# Altium PCB WX0.009.154PCB-4.2.PcbDoc (part 2 of 2) (continued)
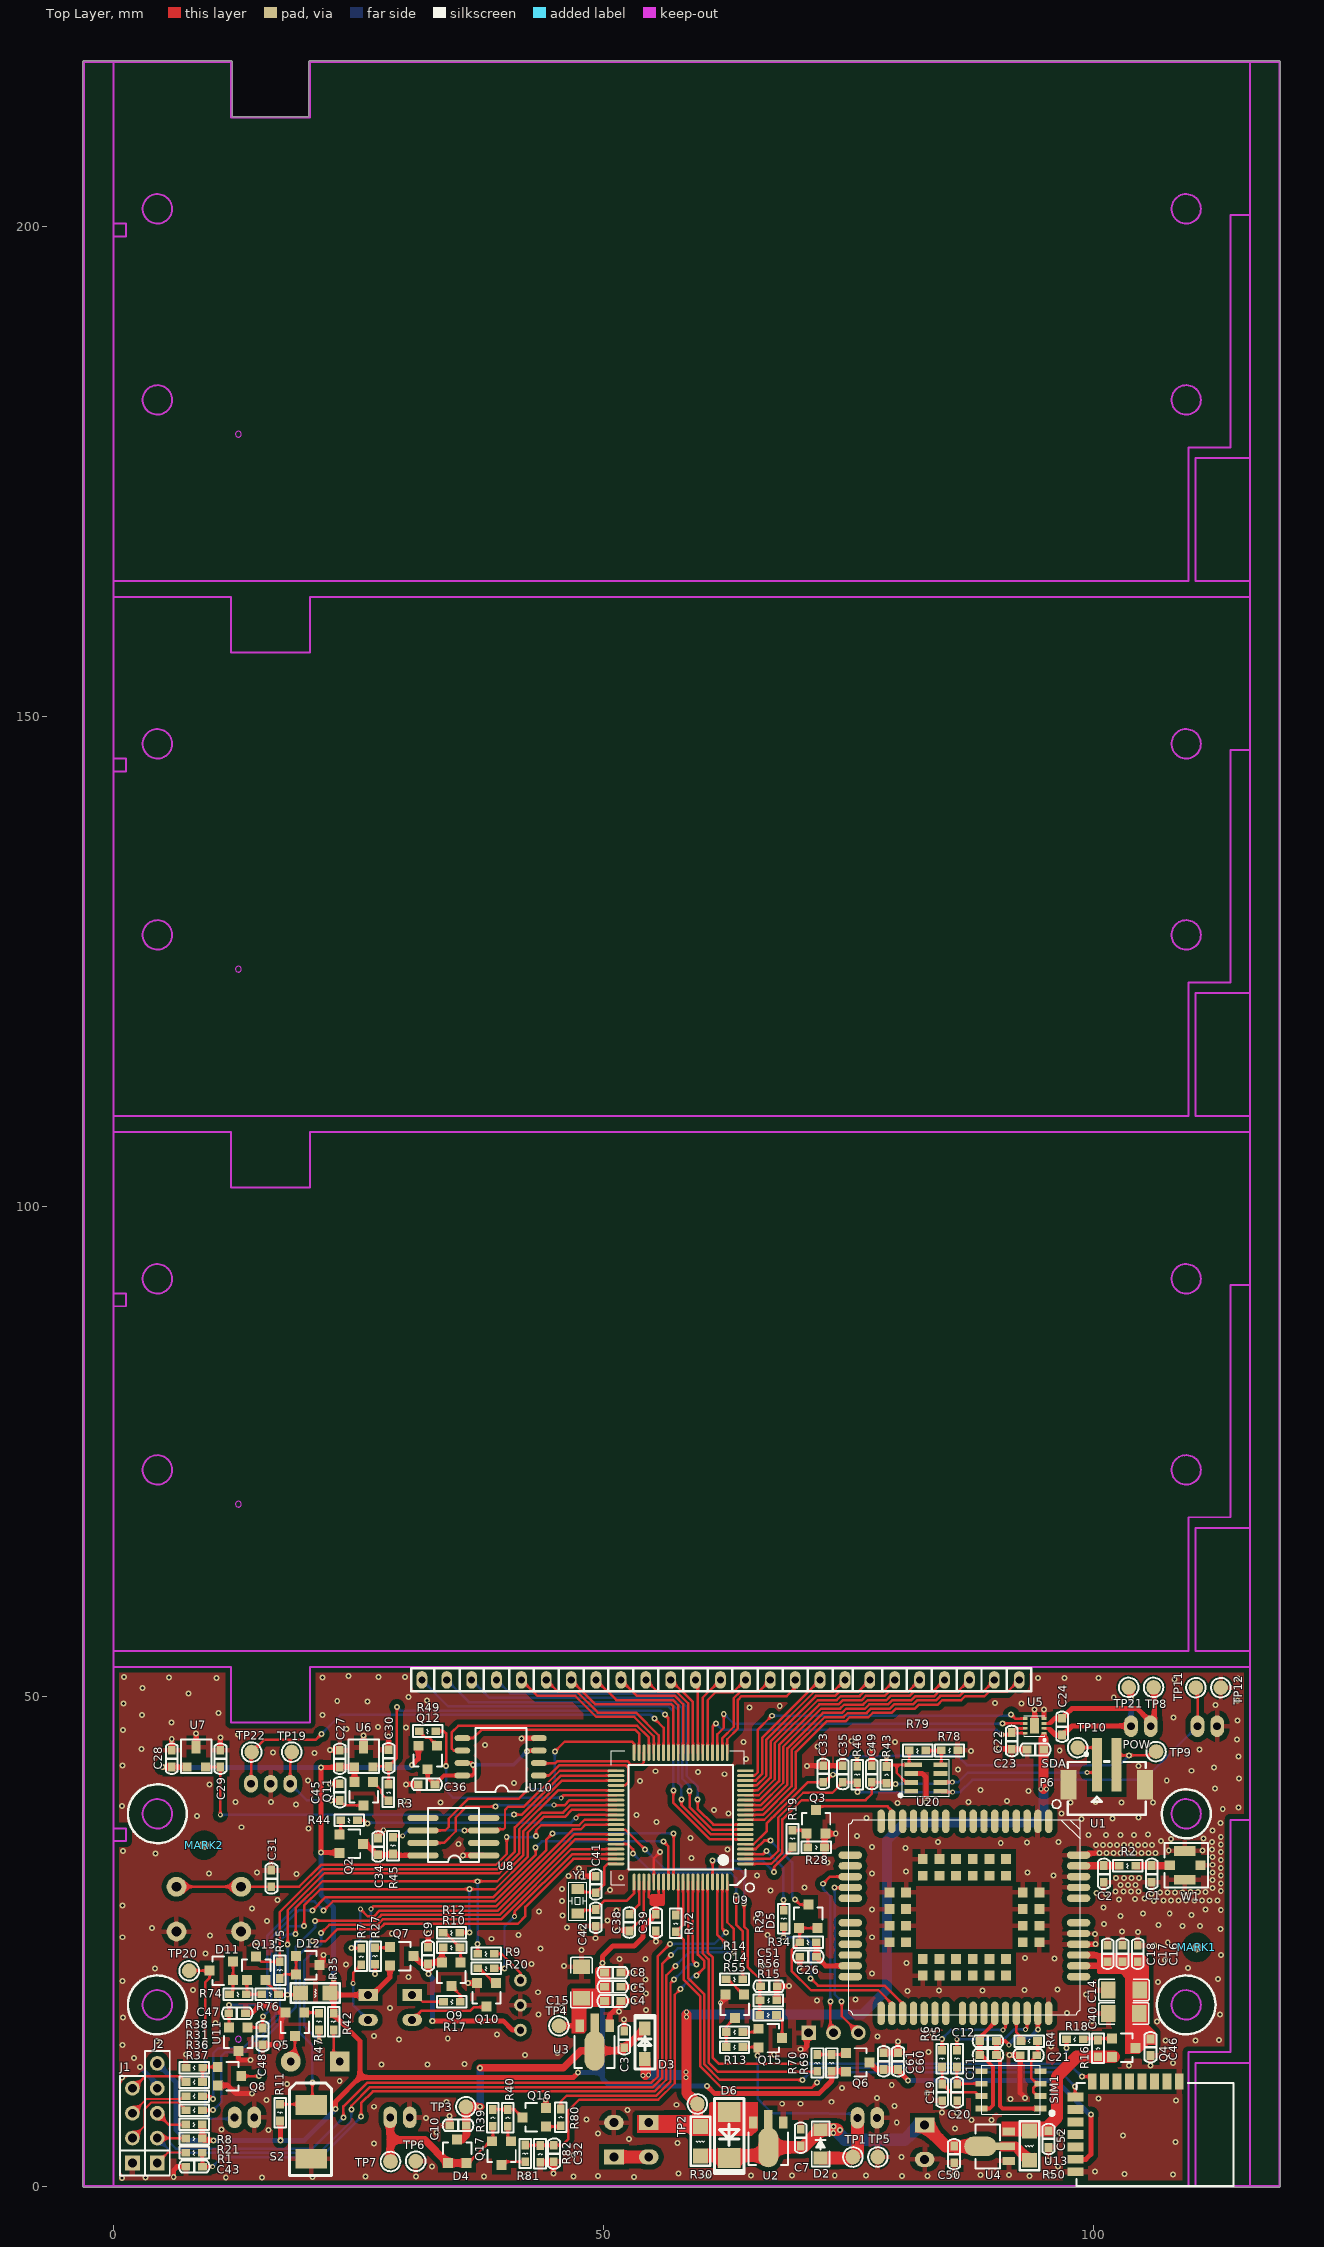
[diagram p0: Top Layer view]
## Nets (pads, with @x,y where several pads share a name; then routed paths per layer and width w, separated by ;. In a path a pad name is that pad's centre, name@x,y a point inside that pad or via, vN(x,y) a via of type N, cw(c..) or ccw(c..) an arc to the next point about the centre after c; other vN are vias at no path point) (continued)
NetQ17_3: Q17.3 R81.1 | length 2.5
  Top Layer w0.254: Q17.3@39.626,2.178 39.937,2.489 R81.1@42.039,2.489
NetR9_1: R9.1 U12.1 | length 4.2
  Top Layer w0.254: R9.1@38.887,23.724 39.598,23.724 41.554,21.767 U12.1@41.554,21.006
NetR29_1: R29.1 U1.30 | length 19.1
  Top Layer w0.254: v1(68.428,25.4) R29.1@68.428,26.391 ; v1(71.171,21.209) 71.907,20.472 78.715,20.472 80.568,18.619 U1.30@80.568,17.632
  Bottom Layer w0.254: v1(68.428,25.4) 70.688,25.4 71.171,24.917 v1(71.171,21.209)
NetR78_1: R78.1 R79.1 U20.8 | length 3.1
  Top Layer w0.254: R79.1@82.931,44.45 84.48,44.45 R78.1@84.506,44.475 84.506,43.081 U20.8@84.431,43.006
OPEN: U5.6 U9.23 | length 35.4
  Top Layer w0.254: U9.23@61.662,44.243 61.662,46.117 62.306,46.761 v1(62.306,48.209) ; v1@90.784,47.223 U5.6@93.081,47.223
  Bottom Layer w0.254: v1(62.306,48.209) 63.322,47.193 v1(90.754,47.193)
R: C24.1 P3.1 TP21.1 U5.2 | length 13.6
  Top Layer w0.305: U5.2@94.981,46.723 95.482,46.723 95.596,46.609
  Top Layer w0.508: 95.596,46.609 96.167,46.038 C24.1@96.825,46.038 96.914,46.038 97.841,46.965 103.851,46.965 P3.1@103.877,46.939 ; TP21.1@103.632,50.902 103.861,50.673 v1(103.861,49.759)
  Bottom Layer w0.508: v1(103.861,49.759) 103.877,49.743 P3.1@103.877,46.939
RESET: Q3.3 U1.15 | length 9.2
  Top Layer w0.254: Q3.3@71.724,38.386 72.098,38.76 79.019,38.76 79.468,38.312 U1.15@79.468,37.232
RST: C43.1 R1.1 U9.80 | length 79.3
  Top Layer w0.254: C43.1@9.09,1.997 R1.1@9.09,3.421 ; C43.1@9.106,1.981 v3(10.135,1.981) ; v1(25.298,7.112) 25.298,8.484 26.492,9.677 55.258,9.677 56.439,10.858 56.439,21.514 v1(57.404,22.479) ; U9.80@62.662,31.043 62.662,26.93 63.348,26.245 v1(63.348,23.851)
  Bottom Layer w0.254: v3(10.135,1.981) 11.125,2.972 21.217,2.972 25.298,7.054 v1(25.298,7.112) ; v1(57.404,22.479) 57.404,22.504 58.75,23.851 v1(63.348,23.851)
RXD1: P9.1 TP22.1 U9.34 | length 50.1
  Top Layer w0.254: P9.1@14.059,41.072 TP22.1@14.059,44.438 ; TP22.1@14.122,44.298 15.367,45.542 20.65,45.542 v1(21.234,46.126) ; v1(55.22,47.727) 56.162,46.784 U9.34@56.162,44.243
  Bottom Layer w0.254: v1(21.234,46.126) 23.216,48.108 54.839,48.108 v1(55.22,47.727)
RXD5: R72.2 U9.71 U13.9 | length 61.7
  Top Layer w0.254: R72.2@57.404,25.959 58.23,25.133 58.23,21.055 59.893,19.392 59.893,12.241 62.101,10.033 71.272,10.033 v1(71.806,10.566) ; R72.2@57.455,25.959 58.162,26.666 U9.71@58.162,31.043 ; v1(98.171,10.16) 98.171,9.125 U13.9@98.21,9.086
  Bottom Layer w0.254: v1(71.806,10.566) 72.873,11.633 96.698,11.633 v1(98.171,10.16)
S0: LCD1.5 U9.36 | length 17.6
  Top Layer w0.254: LCD1.5@41.656,51.664 43.293,50.027 47.151,50.027 49.274,47.904 53.161,47.904 55.162,45.904 U9.36@55.162,44.243
S1: LCD1.6 U9.35 | length 15.6
  Top Layer w0.254: LCD1.6@44.196,51.664 45.401,50.459 47.33,50.459 49.453,48.336 53.34,48.336 55.662,46.014 U9.35@55.662,44.243
S2: LCD1.7 U9.32 | length 16.3
  Top Layer w0.254: LCD1.7@46.736,51.664 49.236,49.163 56.954,49.163 57.162,48.955 U9.32@57.162,44.243
S3: LCD1.8 U9.31 | length 14.3
  Top Layer w0.254: LCD1.8@49.276,51.664 51.344,49.595 57.132,49.595 57.662,49.066 U9.31@57.662,44.243
S4: LCD1.9 U9.30 | length 12.3
  Top Layer w0.254: LCD1.9@51.816,51.664 53.453,50.027 57.311,50.027 58.162,49.176 U9.30@58.162,44.243
S5: LCD1.10 U9.29 | length 10.3
  Top Layer w0.254: LCD1.10@54.356,51.664 55.561,50.459 57.49,50.459 58.662,49.287 U9.29@58.662,44.243
S6: LCD1.11 U9.28 | length 8.4
  Top Layer w0.254: LCD1.11@56.896,51.664 59.162,49.398 U9.28@59.162,44.243
S7: LCD1.12 U9.27 | length 7.5
  Top Layer w0.254: LCD1.12@59.436,51.664 59.662,51.438 U9.27@59.662,44.243
S8: LCD1.13 U9.26 | length 8.2
  Top Layer w0.254: U9.26@60.162,44.243 60.162,49.85 LCD1.13@61.976,51.664
S9: LCD1.14 U9.25 | length 10.1
  Top Layer w0.254: U9.25@60.662,44.243 60.662,49.588 61.493,50.419 63.271,50.419 LCD1.14@64.516,51.664
S10: LCD1.15 U9.22 | length 10.5
  Top Layer w0.254: U9.22@62.162,44.243 62.162,45.721 63.322,46.881 63.322,49.809 63.957,50.444 65.837,50.444 LCD1.15@67.056,51.664
S11: LCD1.16 U9.21 | length 13
  Top Layer w0.254: U9.21@62.662,44.243 62.662,45.61 63.754,46.702 63.754,49.631 64.136,50.013 68.732,50.013 69.596,50.876 LCD1.16@69.596,51.664
S12: LCD1.17 U9.18 | length 14
  Top Layer w0.254: U9.18@64.512,41.393 65.549,41.393 66.218,42.061 66.218,45.745 LCD1.17@72.136,51.664
S13: LCD1.18 U9.17 | length 16.8
  Top Layer w0.254: U9.17@64.512,40.893 65.66,40.893 66.65,41.882 66.65,45.567 71.54,50.457 73.469,50.457 LCD1.18@74.676,51.664
S14: LCD1.19 U9.16 | length 19.5
  Top Layer w0.254: U9.16@64.512,40.393 65.771,40.393 67.081,41.704 67.081,45.388 71.718,50.025 73.648,50.025 74.067,50.444 75.996,50.444 LCD1.19@77.216,51.664
S15: LCD1.20 U9.15 | length 22.3
  Top Layer w0.254: U9.15@64.512,39.893 65.881,39.893 67.513,41.525 67.513,45.209 71.897,49.593 73.827,49.593 74.246,50.012 76.175,50.012 76.62,50.457 78.549,50.457 LCD1.20@79.756,51.664
S16: LCD1.21 U9.14 | length 25
  Top Layer w0.254: U9.14@64.512,39.393 65.992,39.393 67.945,41.346 67.945,45.03 72.076,49.161 74.006,49.161 74.425,49.58 76.354,49.58 76.798,50.025 78.728,50.025 79.162,50.459 81.091,50.459 LCD1.21@82.296,51.664
S17: LCD1.22 U9.13 | length 27.8
  Top Layer w0.254: U9.13@64.512,38.893 66.103,38.893 68.377,41.167 68.377,44.851 72.255,48.729 74.184,48.729 74.603,49.148 76.533,49.148 76.977,49.593 78.907,49.593 79.341,50.027 81.27,50.027 81.687,50.444 83.616,50.444 LCD1.22@84.836,51.664
S18: LCD1.23 U9.12 | length 30.5
  Top Layer w0.254: U9.12@64.512,38.393 66.213,38.393 68.809,40.988 68.809,44.672 72.434,48.298 74.363,48.298 74.782,48.717 76.712,48.717 77.156,49.161 79.086,49.161 79.52,49.595 81.449,49.595 81.866,50.012 83.795,50.012 84.24,50.457 86.169,50.457 LCD1.23@87.376,51.664
S19: LCD1.24 U9.11 | length 33.3
  Top Layer w0.254: U9.11@64.512,37.893 66.324,37.893 69.24,40.809 69.24,44.493 72.613,47.866 74.542,47.866 74.961,48.285 76.891,48.285 77.335,48.729 79.264,48.729 79.698,49.163 81.628,49.163 82.045,49.58 83.974,49.58 84.418,50.025 86.348,50.025 86.754,50.431 88.734,50.431 89.916,51.613 LCD1.24@89.916,51.664
S20: LCD1.25 U9.10 | length 36
  Top Layer w0.254: U9.10@64.512,37.393 66.435,37.393 69.672,40.63 69.672,44.315 72.792,47.434 74.721,47.434 75.14,47.853 77.069,47.853 77.514,48.298 79.443,48.298 79.877,48.732 81.807,48.732 82.223,49.148 84.153,49.148 84.597,49.593 86.527,49.593 86.933,49.999 88.913,49.999 89.37,50.457 91.249,50.457 LCD1.25@92.456,51.664
SET: Q8.3 U9.55 | length 54.2
  Top Layer w0.254: Q8.3@13.062,11.227 v1(14.884,11.227) ; v1(20.599,27.051) 20.65,27.102 26.783,27.102 27.368,27.686 39.426,27.686 47.133,35.393 U9.55@51.312,35.393
  Bottom Layer w0.254: v1(14.884,11.227) 14.884,14.501 18.618,18.235 18.618,24.435 20.599,26.416 v1(20.599,27.051)
SIM_CLK: C20.1 R5.1 SIM1.6 | length 4.2
  Top Layer w0.254: R5.1@86.103,12.163 86.103,10.455 C20.1@86.128,10.43 86.153,10.454 SIM1.6@88.621,10.454
SIM_DATA: C21.1 R4.2 SIM1.2 SIM1.3 | length 7.2
  Top Layer w0.254: R4.2@94.336,14.81 94.336,13.442 C21.1@94.256,13.363 93.675,12.782 93.675,11.049 94.27,10.454 SIM1.3@94.325,10.454 ; SIM1.2@94.621,9.184 94.321,9.184 93.878,9.627 93.878,10.008 SIM1.3@94.325,10.454 ; SIM1.3@94.621,10.454 SIM1.3@94.325,10.454
SIM_RST: C19.1 R6.1 SIM1.7 | length 6.3
  Top Layer w0.254: R6.1@84.585,12.163 84.585,10.455 C19.1@84.611,10.43 85.436,9.604 87.957,9.604 88.377,9.184 SIM1.7@88.621,9.184
SLEEP: C22.2 U5.7 U5.8 U9.24 | length 36.9
  Top Layer w0.254: U9.24@61.162,44.243 61.162,46.887 v1(61.493,47.219) ; v1(90.653,46.076) 91.482,46.076 C22.2@91.694,46.288 ; U5.8@93.081,46.223 91.758,46.223 C22.2@91.694,46.288 ; U5.7@93.081,46.723 92.13,46.723 C22.2@91.694,46.288
  Bottom Layer w0.254: v1(61.493,47.219) 62.154,46.558 90.17,46.558 v1(90.653,46.076)
SWCLK: J2.2 R21.2 U9.78 | length 84.7
  Top Layer w0.254: J2.2@4.496,4.902 R21.2@7.341,4.902 ; v1(24.308,7.798) 24.308,8.204 26.213,10.109 55.079,10.109 56.007,11.037 56.007,22.657 v1(56.921,23.571) ; U9.78@61.662,31.043 61.662,25.631 62.528,24.765 v1(62.535,24.765)
  Bottom Layer w0.254: J2.2@4.496,4.902 5.994,3.404 21.038,3.404 24.308,6.674 v1(24.308,7.798) ; v1(56.921,23.571) 57.633,24.282 62.052,24.282 v1(62.535,24.765)
SWIO: J2.3 R8.2 U9.79 | length 86.2
  Top Layer w0.254: J2.3@4.496,7.442 5.649,6.289 R8.2@7.388,6.289 ; v1(23.495,7.01) 23.495,8.134 25.902,10.541 54.9,10.541 55.575,11.216 55.575,23.47 v1(56.82,24.714) ; U9.79@62.162,31.043 62.162,26.281 v1(62.535,25.908)
  Bottom Layer w0.254: J2.3@4.496,7.442 5.766,6.172 5.766,4.445 6.375,3.835 20.32,3.835 v1(23.495,7.01) ; v1@56.794,24.714 v1(56.82,24.714) 61.335,24.714 62.528,25.908 v1(62.535,25.908)
TXD5: U9.72 U13.8 | length 60.9
  Top Layer w0.254: U9.72@58.662,31.043 58.662,21.233 60.325,19.57 60.325,12.42 61.899,10.846 v1(70.358,10.846) ; v1(98.857,11.176) 99.91,11.176 U13.8@99.91,10.676
  Bottom Layer w0.254: v1(70.358,10.846) 71.577,12.065 97.968,12.065 v1(98.857,11.176)
USIM_CLK: R5.2 U1.41 | length 10.2
  Top Layer w0.254: R5.2@86.103,13.865 v3(86.103,14.989) ; v2(93.116,16.002) 93.268,16.154 U1.41@93.268,17.632
  Bottom Layer w0.254: v3(86.103,14.989) 90.899,14.989 91.099,15.189 91.121,15.189 91.933,16.002 v2(93.116,16.002)
USIM_DATA: R4.1 U1.40 | length 3.2
  Top Layer w0.254: U1.40@92.168,17.632 92.168,15.683 R4.1@93.04,14.81
USIM_GND: C11.2 C12.2 SIM1.1 U1.42 | length 17.7
  Top Layer w0.381: v2(91.415,14.427) 91.031,14.81 C12.2@90.133,14.81 C11.2@90.133,13.388 90.5,13.02 90.5,8.179 90.765,7.914 SIM1.1@94.621,7.914 ; v1(94.368,16.009) U1.42@94.368,17.632
  Bottom Layer w0.381: v2(91.415,14.427) 91.415,14.503 92.088,15.176 93.535,15.176 v1(94.368,16.009)
USIM_RST: R6.2 U1.39 | length 9.6
  Top Layer w0.254: v1(84.582,15.037) 84.582,13.868 R6.2@84.585,13.865 ; v2(90.805,15.951) 91.068,16.214 U1.39@91.068,17.632
  Bottom Layer w0.254: v1(84.582,15.037) 85.496,15.951 v2(90.805,15.951)
USIM_VDD: C11.1 C12.1 SIM1.8 U1.38 | length 12
  Top Layer w0.381: SIM1.8@88.621,7.914 89.448,7.914 89.789,8.255 89.789,12.192 88.593,13.388 C11.1@88.431,13.388 C12.1@88.431,14.81 88.431,15.177 89.968,16.714 U1.38@89.968,17.632
VBAT: D4.1 D4.2 P2.2 Q17.2 R39.2 TP7.1 | length 18.4
  Top Layer w0.254: D4.2@36.053,2.356 36.24,2.356 38.462,4.578 Q17.2@38.676,4.578 38.737,4.639 R39.2@38.737,6.121
  Top Layer w0.762: P2.2@28.261,7.01 28.261,4.718 ; TP7.1@28.296,2.515 28.261,2.549 28.261,4.718 ; D4.2@36.053,2.356 D4.1@34.153,2.356 31.791,4.718 28.261,4.718
VBAT_ADC: C32.2 R81.2 R82.1 U9.74 | length 41.8
  Top Layer w0.254: R81.2@42.039,4.191 C32.2@44.973,4.191 ; C32.2@44.96,4.179 C32.2@44.973,4.191 ; v1(57.912,20.142) 57.302,19.533 57.302,10.501 55.616,8.814 47.549,8.814 46.457,7.722 46.457,4.826 45.822,4.191 C32.2@44.973,4.191 ; v1(59.538,21.507) 60.325,22.295 60.325,22.968 59.662,23.631 U9.74@59.662,31.043
  Bottom Layer w0.254: v1(57.912,20.142) 59.277,21.507 v1(59.538,21.507)
VBAT_CTL: R80.1 U9.73 | length 34.8
  Top Layer w0.254: R80.1@45.669,7.874 45.669,8.636 46.279,9.246 55.437,9.246 56.871,10.679 56.871,20.726 v1(57.252,21.107) ; U9.73@59.162,31.043 59.162,22.982 v1(59.512,22.631)
  Bottom Layer w0.254: v1(57.252,21.107) 58.776,22.631 v1(59.512,22.631)
VDD: C14.1 C16.1 C17.1 C18.1 C40.1 C46.1 Q4.3 U1.45 U1.46 | length 4.9
  Top Layer w0.635: U1.45@98.518,22.482 100.962,22.482 ; U1.46@98.518,23.582 100.319,23.582 100.762,23.139
VDD_BLE: C60.1 C61.1 Q6.3 U13.14 | length 30.7
  Top Layer w0.508: Q6.3@77.171,12.624 77.895,11.9 C61.1@78.613,11.9 C60.1@80.086,11.9 80.086,11.811 v1(81.102,10.795) ; U13.14@98.21,2.736 99.256,2.736 99.771,3.251 v1(99.771,7.315)
  Bottom Layer w0.508: v1(81.102,10.795) 96.19,10.795 99.67,7.315 v1(99.771,7.315)
VDD_BLE_CTL: R70.1 U9.75 | length 30.2
  Top Layer w0.254: U9.75@60.162,31.043 60.162,23.742 60.757,23.147 60.757,12.598 61.671,11.684 71.806,11.684 R70.1@71.857,11.735 R70.1@71.831,11.76
VDD_EXT: C26.1 R34.1 U1.26 | length 5.3
  Top Layer w0.508: R34.1@71.755,24.892 71.79,24.857 C26.1@71.79,23.396 ; C26.1@71.767,23.419 C26.1@71.79,23.396 ; U1.26@75.218,22.482 72.704,22.482 C26.1@71.79,23.396
VIN: D2.1 P1.2 Q15.2 R13.2 TP1.1 | length 25.5
  Top Layer w0.254: R13.2@64.262,14.199 65.823,14.199 65.761,14.136 v1(65.761,13.335)
  Top Layer w1.27: D2.1@72.187,2.862 75.379,2.862 TP1.1@75.489,2.972 75.962,3.445 P1.2@75.962,6.96
  Bottom Layer w0.254: v1@65.761,13.233 65.761,8.941 67.259,7.442 73.025,7.442 73.076,7.391 75.962,7.391 P1.2@75.962,6.96
VIN_ADC: C51.2 R15.2 R56.1 U9.53 | length 30.1
  Top Layer w0.254: U9.53@51.312,36.393 52.253,36.393 v1(54.28,34.366) ; v1(64.389,28.829) 64.389,26.493 64.77,26.112 64.77,22.327 65.986,21.111 C51.2@65.986,20.463 ; R15.2@65.986,17.475 C51.2@65.986,20.463 ; C51.2@66.052,20.396 C51.2@65.986,20.463
  Bottom Layer w0.254: v1(54.28,34.366) 56.236,32.41 63.856,32.41 64.389,31.877 v1(64.389,28.829)
VIN_NB: C7.1 C13.1 C50.1 D2.2 D6.2 R30.1 R50.1 U2.2 U4.2 | length 35.3
  Top Layer w1.016: U4.2@90.765,4.064 92.075,4.064 R50.1@93.497,2.642
  Top Layer w1.27: R30.1@59.919,3.073 59.988,3.143 66.04,3.143 U2.2@66.853,3.956 70.381,3.956 D2.2@72.187,5.762 v1@73.89,5.762 ; C13.1@82.804,6.233 84.973,4.064 U4.2@88.5,4.064 ; R50.1@93.497,2.642 R50.1@93.497,2.759
  Bottom Layer w1.27: 73.66,5.766 74.676,4.75 80.797,4.75 82.28,6.233 C13.1@82.804,6.233
  other v1: 73.482,5.41 74.168,5.74 73.508,6.071
WY_POW: C33.2 P6.2 R43.1 R46.2 R79.2 TP9.1 U9.5 U20.1 U20.3 | length 58.4
  Top Layer w0.254: U9.5@64.512,34.893 65.355,34.893 66.675,36.213 66.675,37.023 67.227,37.575 67.253,37.575 67.437,37.759 67.437,37.785 70.864,41.211 C33.2@72.466,41.211 72.58,41.211 73.355,41.986 v1(73.431,41.986) ; v1(75.895,43.891) 75.895,42.893 R46.2@75.929,42.859 ; v1@78.918,43.891 R43.1@78.918,42.834 79.09,43.006 79.959,43.006 ; R79.2@81.229,44.45 U20.1@81.229,43.006 ; U20.3@81.431,41.206 80.917,41.206 79.959,42.164 79.959,43.006 ; U20.1@81.631,43.006 U20.1@81.229,43.006 ; P6.2@102.397,43.011 102.397,43.967 v1(103.683,43.967) 106.045,43.967 TP9.1@106.426,44.348 ; 79.959,43.006 U20.1@81.229,43.006
  Bottom Layer w0.254: v1(73.431,41.986) 73.431,42.012 75.311,43.891 v1(75.895,43.891) v1@78.892,43.891 ; v1(78.918,43.917) 86.182,43.917 87.122,42.977 102.692,42.977 v1(103.683,43.967)
WY_SCL: C35.1 P7.1 R46.1 TP11.1 U9.2 U20.5 | length 58.9
  Top Layer w0.254: U9.2@64.512,33.393 67.046,33.393 67.869,34.216 67.869,37.606 70.415,40.152 73.387,40.152 C35.1@74.447,41.212 75.875,41.212 R46.1@75.929,41.157 75.971,41.115 v1(75.971,40.208) ; U20.5@84.529,40.208 v3(85.674,40.208) ; 110.658,48.057 TP11.1@110.658,50.708
  Bottom Layer w0.254: v1(75.971,40.208) v3(85.674,40.208) 86.436,40.208 87.681,41.453 105.172,41.453 P7.1@110.658,46.939
WY_SDA: C49.1 P6.1 R43.2 TP10.1 U9.1 U20.6 | length 48.3
  Top Layer w0.254: U9.1@64.512,32.893 67.156,32.893 68.301,34.037 68.301,37.427 70.269,39.395 76.784,39.395 77.411,40.022 C49.1@77.411,41.212 78.838,41.212 R43.2@78.918,41.132 79.003,41.046 v1(79.858,41.046) ; U20.6@84.431,41.206 84.449,41.224 v3(85.649,41.224) ; TP10.1@98.425,44.755 100.381,44.755 100.397,44.739 P6.1@100.397,43.011 100.397,42.215 v3(99.39,42.215)
  Bottom Layer w0.254: v1(79.858,41.046) 85.471,41.046 v3(85.649,41.224) 86.233,41.224 87.198,42.189 99.365,42.189 v3(99.39,42.215)
X1: R11.2 S2.1 U9.59 | length 56.1
  Top Layer w0.254: R11.2@17.018,8.357 20.117,8.357 S2.1@20.193,8.28 20.32,8.407 v1(20.32,10.581) ; v1(20.345,24.994) 21.641,24.994 22.885,26.238 27.141,26.238 27.675,26.772 41.286,26.772 42.067,27.552 42.067,28.495 46.965,33.393 U9.59@51.312,33.393
  Bottom Layer w0.254: v1(20.345,24.994) 19.05,23.698 19.05,15.611 20.32,14.341 v1(20.32,10.581) v1@20.371,10.53
XT1: C42.1 U9.61 Y1.1 | length 7.8
  Top Layer w0.254: Y1.1@47.396,27.838 47.727,28.169 49.187,28.169 C42.1@49.251,28.232 50.153,29.134 52.426,29.134 53.162,29.87 U9.61@53.162,31.043
XT2: C41.2 U9.60 Y1.2 | length 6.3
  Top Layer w0.254: Y1.2@47.396,30.338 47.737,29.997 49.187,29.997 C41.2@49.251,29.934 50.089,30.772 50.089,32.537 50.444,32.893 U9.60@51.312,32.893
pads on no net: MARK1.0 MARK1.1 MARK2.0 MARK2.1 SIM1.4 SIM1.5 U1.1 U1.3 U1.4 U1.5 U1.6 U1.7 U1.8 U1.9 U1.10 U1.11 U1.12 U1.13 U1.14 U1.16 U1.17 U1.18 U1.21 U1.22 U1.23 U1.24 U1.25 U1.27 U1.28 U1.31 U1.32 U1.33 U1.34 U1.35 U1.36 U1.37 U1.44 U1.49 U1.50 U1.55 U1.56 U1.57 U1.58 U1.67 U1.68 U1.69 U1.70 U1.75 U1.76 U1.77 U1.78 U1.79 U1.80 U1.84 U1.85 U1.86 U1.87 U1.88 U1.89 U1.90 U1.91 U8.2 U8.4 U8.5 U9.20 U13.2 U13.3 U13.4 U13.5 U13.6 U13.7 U13.10 U13.11 U13.12 U13.13 U20.4 U20.7

## Polygon pours and split planes (outlines as drawn)
GND on Top Layer "Top Layer-No Net 2" (solid, remove dead copper, pour order 4): -2.21,53.137 -2.21,46.355 -2.21,0.33 -1.143,-0.737 -0.203,-1.676 1.143,-1.676 116.205,-1.676 116.205,53.137
GND on Bottom Layer "Top Layer-No Net 2" (solid, remove dead copper, pour order 5): -2.21,53.137 -2.21,46.355 -2.21,0.33 -1.143,-0.737 -0.203,-1.676 1.143,-1.676 116.205,-1.676 116.205,53.137

## Keep-outs
Keep-Out Layer:
  circle w0.203: c4.5,38 r1.5
  circle w0.203: c4.5,38 r1.5
  circle w0.203: c4.5,182.3 r1.5
  circle w0.203: c4.5,201.8 r1.5
  circle w0.203: c109.5,201.8 r1.5
  circle w0.203: c109.5,182.3 r1.5
  circle w0.203: c109.5,182.3 r1.5
  circle w0.203: c109.5,201.8 r1.5
  circle w0.203: c4.5,201.8 r1.5
  circle w0.203: c4.499,182.3 r1.5
  circle w0.127: c12.77,178.8 r0.3
  circle w0.203: c4.5,127.7 r1.5
  circle w0.203: c4.5,147.2 r1.5
  circle w0.203: c109.5,147.2 r1.5
  circle w0.203: c109.5,127.7 r1.5
  circle w0.203: c109.5,127.7 r1.5
  circle w0.203: c109.5,147.2 r1.5
  circle w0.203: c4.5,147.2 r1.5
  circle w0.203: c4.499,127.7 r1.5
  circle w0.127: c12.77,124.2 r0.3
  circle w0.203: c4.5,73.1 r1.5
  circle w0.203: c4.5,92.6 r1.5
  circle w0.203: c109.5,92.6 r1.5
  circle w0.203: c109.5,73.1 r1.5
  circle w0.203: c109.5,73.1 r1.5
  circle w0.203: c109.5,92.6 r1.5
  circle w0.203: c4.5,92.6 r1.5
  circle w0.203: c4.499,73.1 r1.5
  circle w0.127: c12.77,69.6 r0.3
  circle w0.127: c12.77,15 r0.3
  circle w0.203: c4.499,18.5 r1.5
  circle w0.203: c109.5,38 r1.5
  circle w0.203: c109.5,18.5 r1.5
  circle w0.203: c109.5,18.5 r1.5
  circle w0.203: c109.5,38 r1.5
  circle w0.203: c4.5,38 r1.5
  circle w0.203: c4.5,18.5 r1.5
  lines w0.203: -0.001,35.2 1.299,35.2 1.299,36.5 -0.001,36.5 ; -0.001,89.8 1.299,89.8 1.299,91.1 -0.001,91.1 ; -0.001,144.4 1.299,144.4 1.299,145.7 -0.001,145.7 ; -0.001,199 1.299,199 1.299,200.3 -0.001,200.3 ; 109,0 119,0 119,216.8 116,216.8 ; 110.465,0 110.465,12.573 116,12.573 ; 114,37.363 116,37.363 116,53 ; 114,91.963 116,91.963 116,107.6 ; 114,146.563 116,146.563 116,162.2 ; 114,201.163 116,201.163 116,216.8 ; 114,37.363 114,13.665 109.728,13.665 109.728,0 0,0 ; 114,91.963 114,68.265 109.728,68.265 109.728,54.6 0,54.6 ; 114,146.563 114,122.865 109.728,122.865 109.728,109.2 0,109.2 ; 114,201.163 114,177.465 109.728,177.465 109.728,163.8 0,163.8 ; 116,0 116,216.8 ; 0,0 -3,0 -3,216.8 0,216.8 ; 0,0 0,53 ; 0,0 0,35.2 ; 0,0 0,35.2 ; 0,0 0,35.2 ; 0,0 0,0 ; 0,0 0,35.2 ; 0,0 0,35.2 ; 0,0 0,35.2 ; 0,53 0,54.6 ; 0,53 12.026,53 12.026,47.3 20.059,47.3 20.059,53 114,53 116,53 ; 0,54.6 0,89.8 ; 0,54.6 0,89.8 ; 0,54.6 0,89.8 ; 0,54.6 0,54.6 ; 0,54.6 0,89.8 ; 0,54.6 0,89.8 ; 0,54.6 0,89.8 ; 0,54.6 0,107.6 ; 0,107.6 12.026,107.6 12.026,101.9 20.059,101.9 20.059,107.6 114,107.6 116,107.6 ; 0,107.6 0,109.2 ; 0,109.2 0,144.4 ; 0,109.2 0,144.4 ; 0,109.2 0,144.4 ; 0,109.2 0,109.2 ; 0,109.2 0,144.4 ; 0,109.2 0,144.4 ; 0,109.2 0,144.4 ; 0,109.2 0,162.2 ; 0,162.2 12.026,162.2 12.026,156.5 20.059,156.5 20.059,162.2 114,162.2 116,162.2 ; 0,162.2 0,163.8 ; 0,163.8 0,199 ; 0,163.8 0,199 ; 0,163.8 0,199 ; 0,163.8 0,163.8 ; 0,163.8 0,199 ; 0,163.8 0,199 ; 0,163.8 0,199 ; 0,163.8 0,216.8 ; 0,216.8 12.026,216.8 12.026,211.1 20.059,211.1 20.059,216.8 114,216.8 116,216.8 ; 116,53 116,54.6 ; 116,54.6 116,67.173 110.465,67.173 110.465,54.6 116,54.6 ; 116,107.6 116,109.2 ; 116,109.2 116,121.773 110.465,121.773 110.465,109.2 116,109.2 ; 116,162.2 116,163.8 ; 116,163.8 116,176.373 110.465,176.373 110.465,163.8 116,163.8

## Other copper
Top Layer:
  pour cut-out: 71.958,27.305 70.841,27.305 70.841,27.753 71.958,27.753
  pour cut-out: 103.022,16.027 101.905,16.027 101.905,16.297 103.022,16.297
  pour cut-out: 82.982,42.266 82.982,43.383 83.252,43.383 83.252,42.266
  pour cut-out: 71.298,37.389 72.415,37.389 72.415,36.966 71.298,36.966
  pour cut-out: 33.63,5.309 33.63,4.191 33.36,4.191 33.36,5.309
  pour cut-out: 38.633,2.819 37.516,2.819 37.516,3.089 38.633,3.089
  pour cut-out: 43.637,7.62 42.52,7.62 42.52,7.89 43.637,7.89
  pour cut-out: 42.494,7.976 42.494,9.093 42.764,9.093 42.764,7.976
  pour cut-out: 46.957,14.326 46.957,15.113 47.227,15.113 47.227,14.326
  pour cut-out: 58.649,4.343 58.649,4.724 58.919,4.724 58.919,4.353 58.928,4.343
  region net 3.3V: 49.352,22.352 49.2,22.2 49.2,20.168 46.787,20.168 46.787,15.621 48.057,15.621 48.285,15.85 48.285,18.061 48.512,18.288 50.444,18.288 50.724,18.567 50.724,22.25 50.622,22.352
  region net 5V: 53.467,5.461 58.623,5.461 58.953,5.131 65.176,5.131 65.761,5.715 65.761,8.585 60.96,8.585 60.833,8.458 60.833,7.341 60.706,7.214 53.467,7.214
  region net NetC52_1: 90.653,5.08 95.961,5.08 95.961,6.579 94.463,6.579 90.653,6.579
  region net VDD: 100.406,23.749 105.08,23.749 105.664,23.165 105.664,16.434 106.401,15.697 106.401,14.427 105.639,14.427 104.724,13.513 103.302,13.513 103.302,21.234 102.87,21.666 100.508,21.666 100.406,21.768
  pour cut-out: 46.238,29.33 46.238,28.846 48.349,28.846 48.349,29.33
  pour cut-out: 30.836,52.984 30.836,50.724 31.318,50.241 42.113,50.241 42.113,53 30.861,53
  region net 3.3V: 56.159,29.781 56.286,29.654 56.286,28.765 56.159,28.639 54.889,28.639 54.762,28.765 54.762,29.654 54.889,29.781
  pour cut-out: 48.463,48.285 48.463,47.6 47.981,47.6 47.981,48.285
  pour cut-out: 106.529,18.468 ccw(c109.529,18.468) 109.529,15.468 ccw(c109.529,18.468) 112.529,18.468 ccw(c109.529,18.468) 109.529,21.468 ccw(c109.529,18.468)
  pour cut-out: 1.451,18.485 ccw(c4.451,18.485) 4.451,15.485 ccw(c4.451,18.485) 7.451,18.485 ccw(c4.451,18.485) 4.451,21.485 ccw(c4.451,18.485)
  pour cut-out: 1.477,38.031 ccw(c4.477,38.031) 4.477,35.031 ccw(c4.477,38.031) 7.477,38.031 ccw(c4.477,38.031) 4.477,41.031 ccw(c4.477,38.031)
  pour cut-out: 106.995,37.857 ccw(c109.495,37.857) 109.495,35.357 ccw(c109.495,37.857) 111.995,37.857 ccw(c109.495,37.857) 109.495,40.357 ccw(c109.495,37.857)
Bottom Layer:
  pour cut-out: 58.124,50.258 58.124,49.928 59.122,48.929 59.157,48.929 59.157,50.258
  pour cut-out: 57.709,53 57.709,50.241 93.574,50.241 93.574,53
  pour cut-out: 19.609,38.802 20.726,38.802 20.726,38.532 19.609,38.532
  pour cut-out: 33.96,39.497 35.077,39.497 35.077,38.544 33.96,38.544
  pour cut-out: 44.475,38.379 45.593,38.379 45.593,37.744 44.475,37.744
  pour cut-out: 17.272,16.297 18.39,16.297 18.39,16.027 17.272,16.027
  pour cut-out: 103.607,42.113 102.489,42.113 102.489,42.977 103.607,42.977
  pour cut-out: 106.801,18.442 ccw(c109.551,18.442) 109.551,15.692 ccw(c109.551,18.442) 112.301,18.442 ccw(c109.551,18.442) 109.551,21.192 ccw(c109.551,18.442)
  pour cut-out: 1.747,18.492 ccw(c4.497,18.492) 4.497,15.742 ccw(c4.497,18.492) 7.247,18.492 ccw(c4.497,18.492) 4.497,21.242 ccw(c4.497,18.492)
  pour cut-out: 1.764,37.999 ccw(c4.514,37.999) 4.514,35.249 ccw(c4.514,37.999) 7.264,37.999 ccw(c4.514,37.999) 4.514,40.749 ccw(c4.514,37.999)
  pour cut-out: 106.758,38.032 ccw(c109.508,38.032) 109.508,35.282 ccw(c109.508,38.032) 112.258,38.032 ccw(c109.508,38.032) 109.508,40.782 ccw(c109.508,38.032)

## Silkscreen, mask and mechanical layers (free items; w line width, h text height)
Top Overlay:
  circle w0.152: c96.266,38.989 r0.437
  circle w0.254: c4.5,18.5 r3
  circle w0.254: c4.5,38 r3
  circle w0.254: c109.5,38 r2.5
  circle w0.254: c109.5,18.5 r3
  circle w0.152: c64.973,30.48 r0.437
  text "POW" at 103.022,44.653 h0.86
  text "SDA" at 94.767,42.723 h0.86
Bottom Overlay:
  circle w0.254: c12.77,15 r3
  circle w0.254: c9.75,28.267 r7.75
  circle w0.254: c109.5,38 r3
  circle w0.254: c109.5,18.5 r3
  circle w0.254: c4.5,18.5 r3
  circle w0.254: c4.5,38 r3
  rectangle: 77.597,15.011 81.316,21.511
  rectangle: 77.597,11.1 105.816,15.011
  region: 112.37,26.784 113.924,26.784 113.924,33.718 112.37,33.718
  region: 0.01,26.721 1.565,26.721 1.565,33.655 0.01,33.655
  lines w0.152: 13.818,9.525 15.088,9.525 ; 29.921,9.449 31.191,9.449 ; 78.08,9.754 80.035,9.754 ; 81.051,1.448 83.007,1.448
  text "B" at 103.962,44.171 h0.86
  text "R" at 106.274,44.044 h0.86
  text "G" at 113.462,43.917 h0.86
  text "CHK" at 109.499,42.545 h0.86 r270
  text "光电" at 18.263,36.119 h2.54
  text "+" at 24.994,20.701 h0.86 r270
  text "+" at 29.464,20.701 h0.86 r270
  text "WX0.009.154PCB-4.2" at 64.008,19.05 h0.86
  text "102010402-0218" at 64.008,17.748 h0.86
  text "G" at 71.374,17.272 h0.86
  text "R" at 73.821,17.272 h0.86
  text "T" at 75.692,17.272 h0.86
  text "2024-07-31" at 64.008,16.447 h0.86
  text "WLWn-P72" at 64.008,15.145 h0.86
  text "S" at 1.346,15.062 h0.86
  text "V1.2" at 64.008,13.843 h0.86
  text "T" at 1.321,13.792 h0.86
  text "灯" at 27.051,13.462 h2.54
  text "白" at 31.369,13.462 h2.54
  text "黑" at 36.83,13.081 h2.54
  text "R" at 1.321,12.675 h0.86
  text "+" at 25.4,12.319 h0.86 r270
  text "V" at 6.579,12.141 h0.86
  text "G" at 1.27,11.455 h0.86
  text "主电" at 76.581,10.947 h2.54
  text "备电" at 31.572,10.719 h2.54
  text "G" at 6.604,9.525 h0.86
  text "+" at 74.676,9.144 h2.03 r270
  text "+" at 11.176,8.915 h2.03 r270
  text "+" at 27.127,8.687 h2.03 r270
  text "I" at 6.48,7.016 h0.86
  text "C" at 6.604,4.445 h0.86
  text "R" at 6.604,1.778 h0.86
  text "119" at 20.549,1.676 h2.54
Mechanical 15:
  circle w0.203: c17.049,43.908 r1.5
  circle w0.203: c9.75,28.267 r1.475
  circle w0.203: c9.749,28.264 r1.475
  circle w0.203: c30.399,18.265 r1.5
  circle w0.203: c25.903,18.265 r1.5
  lines w0.203: 22.95,48.908 100.95,48.908 ; 25.903,20.8 35.001,20.8 cw(c35.001,18.3) 35.001,15.8 26.001,15.8 cw(c26.001,18.3) 26.001,20.8 ; 22.95,22.908 22.95,51.908 100.95,51.908 100.95,22.908 22.95,22.908 ; 24.45,25.908 ccw(c26.45,25.908) 26.45,23.908 97.45,23.908 ccw(c97.45,25.908) 99.45,25.908 99.45,45.908 ccw(c97.45,45.908) 97.45,47.908 26.45,47.908 ccw(c26.45,45.908) 24.45,45.908 24.45,25.908

## Text inside footprints (layer, text, board x,y; h text height)
B1: Bottom Overlay "+" at 25.654,16.002 h2.03
C6: Bottom Overlay "-" at 55.291,2.642 h2 r180; Bottom Overlay "+" at 55.418,7.468 h2 r90
C13: Bottom Overlay "+" at 82.474,8.738 h2.03 r90
C44: Bottom Overlay "-" at 50.211,7.087 h2; Bottom Overlay "+" at 49.957,2.007 h2 r270
LCD1: Bottom Overlay "1" at 27.417,49.584 h1.2; Bottom Overlay "25" at 97.829,49.577 h1.2